# Altium PCB mV_meter.PcbDoc (part 2 of 3) (continued)
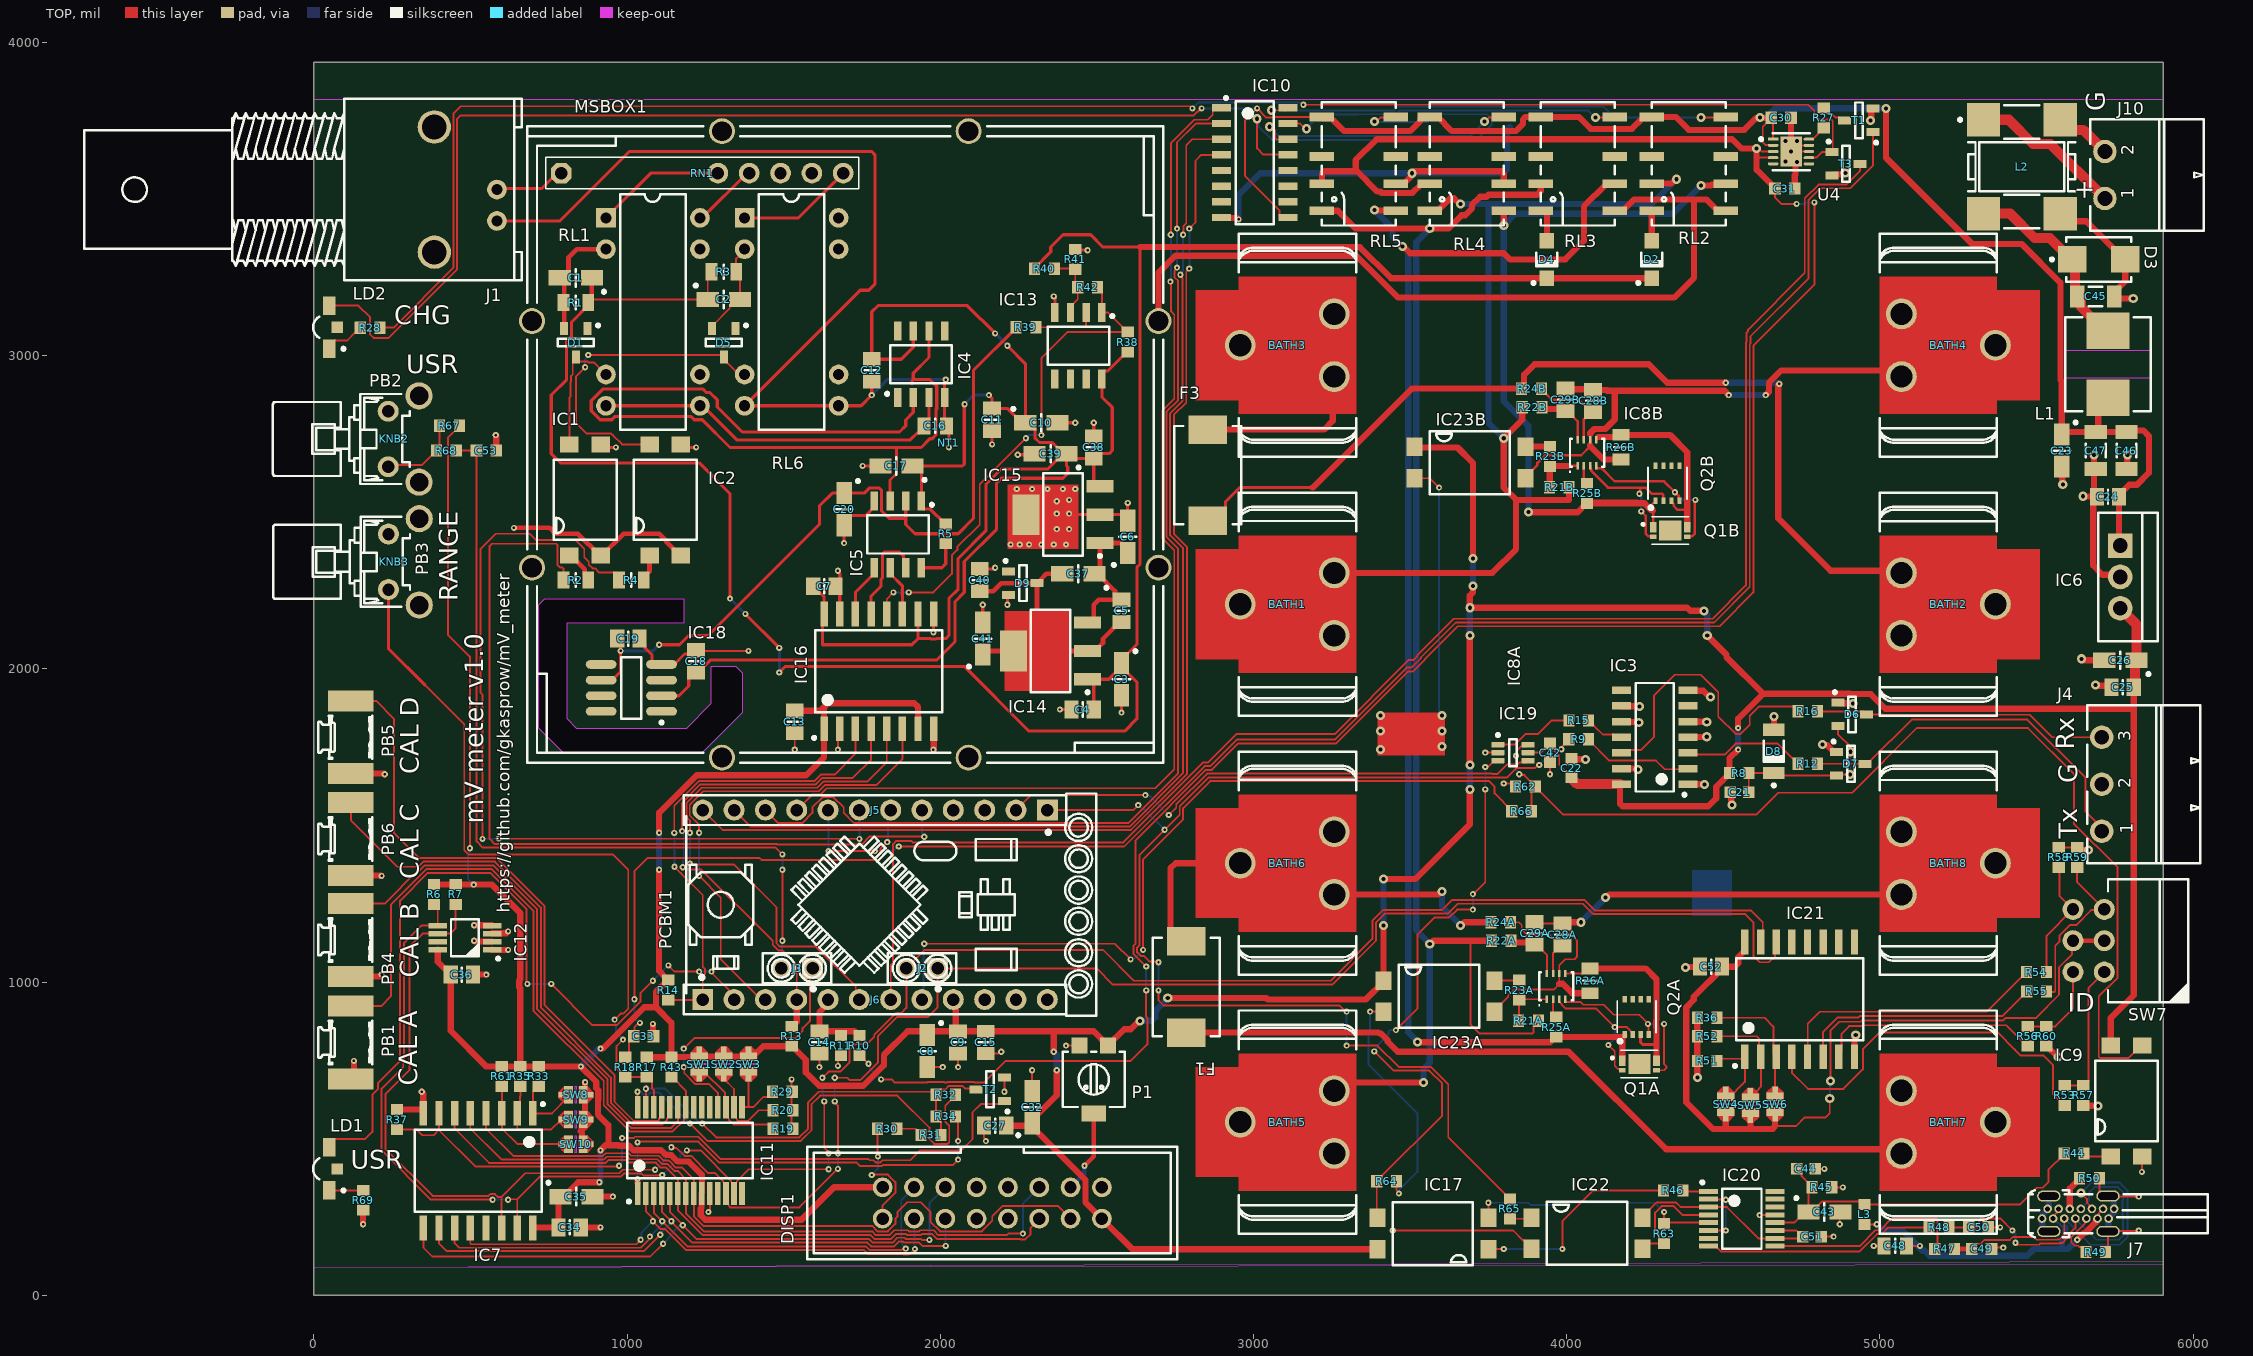
[diagram p0: TOP view]
## Nets (pads, with @x,y where several pads share a name; then routed paths per layer and width w, separated by ;. In a path a pad name is that pad's centre, name@x,y a point inside that pad or via, vN(x,y) a via of type N, cw(c..) or ccw(c..) an arc to the next point about the centre after c; other vN are vias at no path point) (continued)
  TOP w15: v1(639.02,2449.94) 752.52,2449.94 771.37,2431.1 843.31,2431.1 912.2,2362.2 IC1.2@916.14,2362.2 920.08,2362.2 988.98,2431.1 1102.36,2431.1 1126.19,2407.27 1126.19,2404.12 1168.11,2362.2 IC2.2@1172.05,2362.2
  TOP w19.68: PB4.1@117.91,1017.92 210.83,1017.92 v1(216.54,1023.62) ; PB1.1@118.11,690.94 127.95,700.79 v1(127.95,748.03) ; PB6.1@118.11,1340.55 214.57,1340.55 v1(216.54,1338.58) ; PB5.1@118.11,1665.35 224.41,1665.35 v1(226.38,1663.39) ; v1(157.48,226.38) R69.1@157.48,271.65 ; R37.1@265.75,592.52 347.64,592.52 349.61,594.49 349.61,644.49 v1(344.49,649.61) ; C36.1@507.87,1023.62 v1(551.18,1023.62) ; v1(511.81,1131.89) 514.76,1128.94 IC12.2@568.9,1128.94 ; v1(511.81,1181.1) 567.91,1181.1 IC12.4@568.9,1180.12 ; IC12.1@568.9,1103.35 569.88,1102.36 v1(620.08,1102.36) ; IC12.3@568.9,1154.53 569.88,1155.51 614.17,1155.51 v1(620.08,1161.42) ; v1(580.71,2746.06) 582.68,2744.09 C53.1@582.68,2696.85 ; C34.1@852.36,216.54 v1(915.35,216.54) ; v1(866.14,680.2) 866.14,538.62 852.36,524.84 852.36,523.62 856.3,519.68 856.3,496.36 864.17,488.49 877.16,488.49 SW10.1@883.37,482.28 ; C35.2@889.76,314.96 v1(954.72,314.96) ; v1(1082.68,866.14) 1082.68,828.74 C33.1@1084.65,826.77 ; v1(1978.35,1742.13) 1979.13,1742.91 IC16.8@1979.13,1809.05 ; IC10.8@2897.64,3440.94 2899.61,3438.98 2948.82,3438.98 v1(2952.76,3435.04) ; RL5.6@3454.72,3549.21 3480.32,3549.21 v2@3509.44,3578.34 ; v2(3505.61,3582.17) 3508.13,3582.17 3514.54,3588.58 3791.14,3588.58 3799.21,3580.51 RL4.6@3799.21,3549.21 ; T3.2@4846.46,3574.8 4849.41,3577.76 4876.97,3577.76 4880.11,3580.89 4887.72,3580.89 v2(4889.5,3582.68)
  TOP w20: C22.1@4015.75,1712.6 4016.97,1711.38 4059.05,1711.38 v2(4060.27,1710.16) ; IC3.13@4175.2,1681.5 4222.31,1681.5 4225.65,1678.16 v2(4228.08,1678.16) ; IC3.10@4175.2,1831.5 4176.37,1830.33 4229.1,1830.33 v2(4230.27,1829.16) ; IC3.9@4175.2,1881.5 4175.87,1880.83 4231.6,1880.83 v2(4232.27,1880.16) ; v2(4378.94,1046.43) 4380.23,1047.72 4424.28,1047.72 C52.1@4425.57,1049 ; IC3.1@4387.8,1631.5 4387.96,1631.33 4440.51,1631.33 v2(4440.68,1631.16) ; IC3.4@4387.8,1781.5 4388.63,1782.33 4446.44,1782.33 v2(4447.27,1783.16) ; IC3.5@4387.8,1831.5 4388.46,1830.83 4446.6,1830.83 v2(4447.27,1830.16) ; IC3.7@4387.8,1931.5 4389.61,1929.69 4435.99,1929.69 4456.23,1909.45 v2(4458.66,1909.45) ; R52.1@4417,829 4417.32,829.32 R36.1@4417.32,885.83 ; R52.1@4417.32,820.68 R51.1@4417.32,748.03 4417.32,695.68 v2(4418,695) ; C21.1@4522.74,1606.16 4525.55,1603.35 4525.55,1566.8 v2(4527.27,1565.08) ; D8.2@4661.42,1805.12 4662.27,1805.97 v2(4662.27,1847.18) ; C30.1@4716.54,3759.84 4716.54,3689.8 4720.77,3685.56 v2(4735.95,3685.56) ; C31.1@4728.35,3533.46 4728.35,3533.35 C31.1@4733,3538 ; C31.1@4728.35,3538 4728.35,3575.47 4730.31,3577.43 4730.31,3613.35 4730.55,3613.59 U4.11@4730.55,3617.65 ; U4.11@4730.96,3685.56 4730.96,3672 4716.54,3657.58 4716.54,3651.66 v2(4716.45,3651.57) 4730.55,3637.48 U4.11@4730.55,3617.65 ; v2(4735.03,3618.43) 4731.33,3618.43 U4.11@4730.55,3617.65 ; v2(4817.27,1758.16) 4818.99,1756.44 4832.15,1756.44 4854.33,1734.25 D7.1@4862.2,1734.25 ; D6.1@4866.14,1891.73 4867.61,1890.26 4912.8,1890.26 v2(4914.27,1888.79) ; IC21.8@4919.09,761.81 4919.09,824.66 4923,828.56 v2(4923,831) ; v2(4970.47,3750) 4972.19,3751.72 4972.19,3785.61 4975.48,3785.61 T1.2@4978.28,3788.4 ; R60.1@5531.5,795.28 5533.46,795.28 5567.74,761 v2(5569,761) ; L2.3@5575.44,3453 5599.54,3428.9 5658.7,3428.9 D3.2@5773.6,3314 ; C23.2@5580.71,2645.67 5582.35,2644.02 5582.35,2589.51 v2(5584,2587.86) ; R59.1@5629.92,1429.13 5637.64,1421.42 v2(5665.48,1421.42) ; v2(5644,2032) 5646.44,2032 5650.88,2027.56 C26.2@5716.54,2027.56 ; v2(5647.9,2551) 5648.8,2550.11 C24.1@5688,2550.11 ; R57.1@5649.61,606.3 5650.76,605.15 5695.85,605.15 v2(5697,604) ; v2(5684,2682.81) 5684,2567.76 C24.1@5697.38,2554.38 ; C24.1@5688,2545 5681,2538 5681,2330 5710.47,2300.53 5760.5,2300.53 IC6.2@5767.72,2293.31 ; v2(5689,1948) 5690.72,1946.28 5734.29,1946.28 C25.1@5739.57,1941 ; C45.1@5747,3200.74 5783.46,3237.2 D3.2@5783.46,3307.09 ; C45.1@5748.03,3188.98 5755.01,3182 v2(5809,3182) ; C46.1@5787.4,2637.8 5790,2640.39 v2(5790,2683)
  BOT w6: v1(3372.3,905.51) 3372.3,843.36 3366.98,838.05 3366.98,737.35 3523.62,580.71 3523.62,393.7 3464.57,334.65 v1(3464.57,324.8) ; v1(3592.52,2578.74) 3592.52,1866.46 3602.36,1856.62 v2(3602.36,1850.39)
  BOT w19.68: v1(2952.76,3435.04) 2952.76,3513.27 3021.65,3582.17 v2(3505.61,3582.17) 3797.52,3582.17 3809.06,3593.7 3809.06,3720.47 3818.9,3730.32
  other v2: 3405.51,1742.13 3602.36,1751.97 3405.51,1801.18 3602.36,1801.18 3405.51,1850.39 4698.17,3619.55 4698.59,3685.41
GNDi: C3.2 C4.1 C6.2 C7.1 C10.2 C11.1 C17.2 C18.1 C19.1 C20.2 C38.1 C39.2 C40.1 C41.2 D9.2 IC1.3 IC2.3 IC5.4 IC13.4 IC15.2 IC15.4 IC16.9 IC16.15 IC18.4 MSBOX1.1 MSBOX1.2 MSBOX1.3 MSBOX1.4 MSBOX1.5 MSBOX1.6 MSBOX1.7 MSBOX1.8 NT1.2 R41.1 RL2.5 RL3.5 | length 4506.9
  TOP w6: C18.1@1220.47,2059.06 1222.44,2057.09 v1(1387.8,2057.09)
  TOP w10: IC1.3@916.14,2716.54 925.98,2706.69 v1(964.57,2706.69) ; C19.1@1039.37,2096.46 1057.01,2078.82 1057.01,2067.2 1079.8,2044.41 1079.8,2022.09 1087.91,2013.98 IC18.4@1110.24,2013.98 1150.42,2013.98 1183.69,2047.24 C18.1@1226.56,2047.24 ; IC2.3@1172.05,2716.54 1181.89,2706.69 v1(1220.47,2706.69) ; v1(1673.23,2312.99) 1673.23,2310.37 1679.13,2304.47 IC16.15@1679.13,2175.2 ; v1(1692.91,2401.57) C20.2@1692.91,2458.66 1692.91,2469.49 1712.52,2489.09 1762.13,2489.09 1789.76,2516.73 IC5.4@1789.76,2535.43 ; v1(1751.97,2647.64) C17.2@1809.05,2647.64 ; v1(1978.35,2116.14) 1978.74,2116.54 1978.74,2174.8 IC16.9@1979.13,2175.2 ; C40.1@2125.98,2318.9 2168.64,2318.9 2172.58,2322.83 v1(2175.2,2322.83) ; C41.2@2135.83,2147.64 v1(2135.83,2204.72) ; v1(2165.35,2716.54) C11.1@2165.35,2759.84 ; v1(2214.57,2204.72) 2214.57,2232.28 D9.2@2218.5,2236.22 ; v1(2247.58,2683.53) 2297.7,2683.53 C39.2@2301.18,2687.01 ; IC15.4@2273.62,2492.13 IC15.2@2509.84,2492.13 2578.82,2492.13 C6.2@2598.43,2472.52 ; v1(2362.2,3188.98) 2362.2,3186.36 2365.94,3182.62 IC13.4@2365.94,3137.8 ; C10.2@2374.02,2785.43 v1(2431.1,2785.43) ; v1(2381.89,1870.08) C4.1@2419.29,1870.08 ; R41.1@2431.1,3338.58 2433.07,3336.61 v1(2470.47,3336.61) ; C38.1@2490.16,2742.13 v1(2490.16,2785.43) ; v1(2578.74,1860.24) C3.2@2578.74,1915.35 ; C6.2@2598.43,2472.44 C6.2@2598.43,2472.52 ; v1(2598.43,2529.53) C6.2@2598.43,2472.52
  TOP w19.68: MSBOX1.3@2698,3110 2696.85,3111.15 2696.85,3264.85 2750.61,3318.61 3328.39,3318.61 3462,3185 4343,3185 4407,3249 4407,3498.82 ; RL3.5@4153.54,3462.6 4179.13,3462.6 4215.35,3498.82 4407,3498.82 ; RL2.5@4507.87,3462.6 4482.28,3462.6 4446.06,3498.82 4407,3498.82
  other v1: 2224.4,2396.94 2253.92,2396.94 2283.45,2396.94 2322.82,2396.94 2362.19,2396.94 2401.56,2396.94 2372.03,2446.16 2411.4,2446.16 2372.03,2495.37 2411.4,2495.37 2372.03,2534.74 2411.42,2539.37 2244.08,2574.11 2293.29,2574.11 2342.51,2574.11 2391.72,2574.11 2431.09,2574.11 2027.45,2706.69
GNDU: C43.2 C44.1 C48.1 C49.2 C50.2 C51.1 IC9.2 IC17.2 IC20.5 IC20.13 J7.A1 J7.A12 J7.B1 J7.B12 J7.SHIELD R45.1 R49.1 R50.2 R63.1 | length 1768.1
  TOP w6: IC17.2@3750,246.85 v1(3750,295.28) ; v1(4311.02,265.75) R63.1@4311.02,228.35 4314.37,231.69 IC20.5@4452.76,231.69 ; v1(4616.14,255.91) 4616.54,256.3 4664.96,256.3 IC20.13@4665.35,256.69 ; C44.1@4793.31,403.54 v1(4822.83,403.54) ; C51.1@4812.99,187.01 v1(4852.36,187.01) ; R45.1@4846.46,344.49 v1(4881.89,344.49) ; v1(4872.05,226.38) 4872.05,263.78 C43.2@4874.02,265.75 ; v1(4980.32,157.48) C48.1@5013.78,157.48 ; C50.2@5346.46,216.54 v1(5383.86,216.54) ; C49.2@5356.3,147.64 5360.74,152.08 v1(5393.7,152.08) ; R50.2@5700.79,374.02 5700.79,332.37 5716.63,316.54 J7.SHIELD@5728.35,316.54 5729.13,315.75 5825.98,315.75 v1(5826.77,314.96) ; R49.1@5720.47,139.76 R49.1@5720.47,137.8 5728.35,145.67 J7.SHIELD@5728.35,203.94 5729.72,205.32 5825.39,205.32 v1(5826.77,206.69) ; v1(5836.61,393.7) 5836.61,442.13 IC9.2@5837.4,442.91
  BOT w6: v1(3750,295.28) 3877.92,295.28 3884.95,288.24 4009.16,288.24 4016.19,295.28 4281.5,295.28 v1(4311.02,265.75)
  BOT w20: J7.A12@5517.72,244.88 5519.16,243.44 5519.16,211.07 5526.29,203.94 J7.SHIELD@5539.37,203.94 ; J7.A12@5519.16,257.27 5535.43,273.55 J7.B1@5535.43,275.59 5535.43,277.64 5539.37,281.57 J7.SHIELD@5539.37,316.54 ; J7.SHIELD@5728.35,203.94 5729.33,204.92 5729.33,243.9 J7.A1@5730.32,244.88 5730.32,246.93 5746.59,263.2 5746.59,274.14 J7.B12@5748.03,275.59 5746.59,277.04 5746.59,309.41 5739.46,316.54 J7.SHIELD@5728.35,316.54
ID_1: IC21.4 R53.1 | length 1208.6
  TOP w6: IC21.4@4719.09,761.81 4719.09,709.91 4770.5,658.5 4883.5,658.5 4946,721 4946,786 4999,839 5376,839 5431,784 5431,783.76 5449.76,765 5523,765 5553,735 5553,641.88 5588.58,606.3 R53.1@5590.55,606.3
ID_2: IC21.5 R54.1 | length 853.9
  TOP w6: IC21.5@4772,782 4769.87,784.13 4769.87,866.87 4808,905 5341.5,905 5451.82,1015.31 5453.79,1015.31 5468.5,1030.03 R54.1@5468.5,1032
ID_4: IC21.6 R55.1 | length 775
  TOP w6: IC21.6@4818,771 4818,840 4865,887 4932.2,887 4936.2,891 5390.01,891 5452.32,953.31 5454.29,953.31 5469.01,968.03 R55.1@5469.01,970
ID_8: IC21.7 R56.1 | length 696.2
  TOP w6: IC21.7@4871,775 4877.91,781.91 4877.91,834.91 4902,859 4943.8,859 4946.8,862 5403.75,862 5470.47,795.28 R56.1@5472.44,795.28
KEY_CAL_0: IC11.21
KEY_CAL_A: IC11.22 PB1.2 R43.1 | length 2171.4
  TOP w6: PB1.2@118.11,923.23 214.57,923.23 246.06,954.72 246.06,1247.29 359.2,1360.43 568.23,1360.43 700.98,1227.68 700.98,908.78 925.72,684.04 925.72,605.87 1008.61,522.98 1145.96,522.98 1182.13,559.15 1182.13,594.54 IC11.22@1187.99,600.39 1187.99,652.56 1143.7,696.85 R43.1@1141.73,696.85
KEY_CAL_B: IC11.23 PB4.2 | length 1729.1
  TOP w6: PB4.2@117.91,1250.2 226.58,1250.2 332.49,1356.11 337.92,1356.11 353.23,1371.43 574.2,1371.43 712.98,1232.65 712.98,913.75 937.72,689.01 937.72,609.42 1013.16,533.98 1141.4,533.98 1162.4,554.98 IC11.23@1162.4,600.39
KEY_CAL_C: IC11.24 PB6.2 | length 1806.1
  TOP w6: PB6.2@157.48,1572.83 PB6.2@118.11,1572.83 118.11,1515.75 265.75,1368.11 332.95,1368.11 349.26,1384.43 578.17,1384.43 724.98,1237.62 724.98,918.72 948.72,694.98 948.72,613.98 1017.72,544.98 1112.39,544.98 1128.08,560.66 1128.08,564.1 1136.81,572.83 IC11.24@1136.81,600.39
KEY_CAL_D: IC11.25 PB5.2 | length 2034.4
  TOP w6: PB5.2@118.11,1897.64 198.82,1897.64 255.91,1840.55 255.91,1476.38 336.61,1395.67 458.52,1395.67 459.27,1396.43 583.14,1396.43 736.98,1242.59 736.98,926.41 959.72,703.67 959.72,618.54 1022.28,555.98 1097.8,555.98 1102.49,560.66 1102.49,564.1 1111.22,572.83 IC11.25@1111.22,600.39
KEY_RANGE: IC11.26 PB3.2 R17.1 R18.2 | length 2374.7
  TOP w6: 354.33,1948.82 480.13,1823.02 480.13,1420.28 492.98,1407.43 954.78,1407.43 1003.94,1358.27 1003.94,915.35 987.62,899.04 979.39,899.04 v1(960.45,880.1) ; v1(987.11,816.03) 966.41,795.33 966.41,722.57 992.13,696.85 1064.96,696.85 1079.68,682.13 1079.68,660.95 1085.63,655 IC11.26@1085.63,600.39
  TOP w10: PB3.2@238.18,2252.94 238.18,2064.97 354.33,1948.82
  BOT w6: v1(960.45,880.1) 961.57,878.98 961.57,861.26 964.57,858.26 964.57,845.15 974.96,834.76 974.96,830.52 987.11,818.37 v1(987.11,816.03)
LCD4: DISP1.11 IC7.9 IC11.5 | length 2073.9
  TOP w6: IC7.9@349.61,207.24 349.61,152.36 378.33,123.64 1074.07,123.64 v1(1114.98,164.55) ; IC11.5@1136.81,324.8 1136.81,266.37 1176.81,226.38 v1@1181.1,226.38 ; v1(1178.15,223.43) v1@1181.1,226.38 ; v1(1965.61,176.53) 1941.15,176.53 1937.68,179.99 1889.43,179.99 1886.05,183.37 1863.2,183.37 1847.83,167.99 1784.46,167.99 1772.46,179.99 1221.59,179.99 1181.1,220.48 v1@1181.1,226.38
  BOT w6: v1(1114.98,164.55) 1143.12,192.69 1143.12,198.24 1168.64,223.76 1177.83,223.76 v1(1178.15,223.43) ; v1(1965.61,176.53) 1965.61,293.95 DISP1.11@2016.14,344.49
LCD5: DISP1.12 IC7.10 IC11.4 | length 1955.9
  TOP w6: IC7.10@399.61,214.57 399.61,166.2 425.12,140.68 1053.16,140.68 v1(1105.84,193.37) ; IC11.4@1111.22,324.8 1111.22,266.73 v1(1141.73,236.22) 1141.73,234.62 1208.36,167.99 1767.49,167.99 1779.49,155.99 1852.8,155.99 1868.17,171.37 1881.08,171.37 1884.46,167.99 1932.71,167.99 1943.22,157.48 v1(2017.72,157.48)
  BOT w6: v1(1105.84,193.37) 1105.84,196.85 1141.73,232.74 v1(1141.73,236.22) ; DISP1.12@2016.14,244.49 2016.93,243.7 2016.93,158.27 v1(2017.72,157.48)
LCD6: DISP1.13 IC7.11 IC11.3 | length 1896.5
  TOP w6: IC7.11@449.61,214.57 449.61,166.2 464.12,151.68 1043.06,151.68 1070.22,178.84 1070.22,184.39 v1(1072.83,187.01) ; IC11.3@1085.63,324.8 1085.63,262.8 1192.43,155.99 1762.52,155.99 1774.52,143.99 1875.35,143.99 1879.82,148.46 1889.07,148.46 v1(1889.76,149.15)
  BOT w6: v1(1072.83,187.01) 1109.59,223.76 1109.59,233.6 v1(1112.2,236.22) ; v1(1889.76,149.15) 1889.76,151.38 1877.55,163.59 1877.55,171.85 1875.65,173.76 1875.65,303.99 DISP1.13@1916.14,344.49
LCD7: DISP1.14 IC7.12 IC11.2 | length 1755.8
  TOP w6: IC7.12@499.61,214.57 499.61,166.2 503.12,162.68 1028.82,162.68 v1(1043.31,177.17) ; IC11.2@1060.04,324.8 1060.04,268.7 v1@1087.6,241.14 ; v1(1082.68,236.22) 1107.69,211.21 1121.66,211.21 1188.88,143.99 1757.54,143.99 1769.54,131.99 1880.27,131.99 1881.96,130.31 1897.57,130.31 1899.25,131.99 1903.63,131.99 v1(1919.29,147.64)
  BOT w6: v1(1043.31,177.17) 1045.93,179.78 1045.93,199.47 v1(1082.68,236.22) ; DISP1.14@1916.14,244.49 1917.72,242.91 1917.72,149.21 v1(1919.29,147.64)
LCD_E: DISP1.6 IC7.6 IC11.6 | length 2182.6
  TOP w6: IC7.6@449.61,580.71 449.61,532.34 559.35,422.6 931.92,422.6 940.55,431.23 995.84,431.23 1003.78,423.29 1092.11,423.29 1107.8,407.6 1125.02,407.6 1162.4,370.22 1162.4,271.49 1241.9,191.99 1777.43,191.99 1789.43,179.99 1842.86,179.99 1858.23,195.37 1891.02,195.37 1894.4,191.99 1937.89,191.99 1941.26,195.37 1974.05,195.37 1989.43,179.99 2253.99,179.99 2255.97,178.01 2271.58,178.01 2288.41,194.83 2288.41,214.95 2316.14,242.68 DISP1.6@2316.14,244.49
LCD_RS: DISP1.4 IC7.4 IC11.8 | length 2300.4
  TOP w6: IC7.4@549.61,580.71 549.61,532.34 637.35,444.6 922.81,444.6 931.44,453.23 1004.95,453.23 1012.89,445.29 1101.22,445.29 1116.92,429.6 1134.14,429.6 1155.98,407.76 1176.05,407.76 1213.58,370.22 1213.58,251.42 1243.82,221.18 1782.18,221.18 1799.37,203.99 1832.92,203.99 1856.64,227.71 1856.64,244.49 1863.65,251.5 1863.65,266.23 1894.4,296.98 1937.89,296.98 1968.64,266.23 1968.64,234.72 1999.37,203.99 2132.92,203.99 2166.14,237.22 2166.14,251.76 2199.37,284.98 2375.65,284.98 DISP1.4@2416.14,244.49
LCD_RW: DISP1.5 IC7.5 IC11.7 | length 2211.3
  TOP w6: IC7.5@499.61,580.71 499.61,532.34 598.35,433.6 927.37,433.6 936,442.23 1000.4,442.23 1008.33,434.29 1096.67,434.29 1112.36,418.6 1129.58,418.6 1151.42,396.76 1161.46,396.76 1187.99,370.22 1187.99,261.45 1245.45,203.99 1782.4,203.99 1794.4,191.99 1837.89,191.99 1853.26,207.37 1895.99,207.37 1899.37,203.99 1932.92,203.99 1936.29,207.37 1979.02,207.37 1994.4,191.99 2212.1,191.99 2216.96,196.85 v1(2263.78,196.85)
  BOT w6: v1(2263.78,196.85) 2263.78,292.13 DISP1.5@2316.14,344.49
NetBATH4_1: BATH4.1 C28B.1 C29B.1 IC8B.6 IC23B.3 R26B.1 | length 1731.1
  TOP w7.87: IC23B.3@3868.11,2608.27 3868.11,2612.2 3906.41,2650.5 3906.41,2657.47 3930.73,2681.8 4046.53,2681.8 4075.78,2711.04 ; IC8B.6@4074.8,2722.83 IC8B.6@4074.8,2730.71 4074.8,2749.4
  TOP w19.68: C29B.1@3996.06,2894.49 3998.03,2892.52 4082.68,2892.52 C28B.1@4084.65,2890.55
  TOP w20: 4074.55,2714.01 4074.55,2712.27 4075.78,2711.04 4118.71,2668.11 R26B.1@4173.23,2668.11 ; 4075.05,2749.4 4075.05,2752.78 4088.02,2765.75 4123.24,2765.75 4153.54,2796.05 4153.54,2887.39 ; C28B.1@4084.65,2890.55 4129.19,2890.55 ; 4129.19,2887.39 4153.54,2887.39 ; v1(4517.72,2874.02) 4504.35,2887.39 4153.54,2887.39 ; v1(4635.83,2874.02) 4645.67,2883.86 4645.67,2913.39 4685.04,2952.76 5017.97,2952.76 5022.65,2948.08 5053.89,2948.08 BATH4.1@5068.9,2933.07
  BOT w20: v1(4517.72,2874.02) v1(4635.83,2874.02)
NetBATH8_1: BATH8.1 C28A.1 C29A.1 IC8A.6 IC23A.3 R26A.1 | length 1822.1
  TOP w6: IC23A.3@3769.69,904.72 3769.69,908.66 3813.42,952.4 3813.42,958.04 3831.45,976.07 3958.35,976.07 3976.38,994.09 IC8A.6@3976.38,1027.17 3976.38,1053.15 3996.06,1072.83 4025.59,1072.83 4032.95,1080.19 4032.95,1133.32 4011.76,1154.51 4011.76,1167.37 3992.13,1187.01 C28A.1@3986.22,1187.01 3901.57,1187.01 C29A.1@3897.64,1190.94
  TOP w20: 3976.38,994.09 3987.72,994.09 4017.24,964.57 R26A.1@4074.8,964.57 ; C28A.1@3990.16,1190.94 v2(4045.28,1190.94) ; v2(4124.02,1269.68) 4126.45,1269.68 4136.29,1279.53 BATH8.1@5068.9,1279.53
  BOT w20: v2(4045.28,1190.94) v2(4124.02,1269.68)
NetC1_2: C1.2 D1.2 R1.1 RL1.2 | length 380.6
  TOP w15: D1.2@799.21,3086.61 799.21,3234.25 C1.2@785.43,3248.03 796.26,3248.03 813.37,3265.14 813.37,3313.37 839.76,3339.76 RL1.2@932.68,3339.76
NetC2_2: C2.2 D5.2 R3.1 RL6.2 | length 312.3
  TOP w6: D5.2@1271.65,3086.61 1271.65,3094.49 1327.8,3150.64 1327.8,3157.53 1349.41,3179.13 C2.2@1360.24,3179.13 1360.24,3255.91 R3.1@1348.43,3267.72 1348.43,3309.66 1375.59,3336.82 RL6.2@1375.59,3339.76
NetC5_1: C5.1 C37.2 C40.2 C41.1 D9.3 IC14.2 IC14.4 | length 1003.6
  TOP w15: C40.2@2125.98,2248.03 2169.29,2248.03 2194.88,2273.62 D9.3@2309.06,2273.62 ; C41.1@2135.83,2045.28 2147.64,2057.09 IC14.4@2234.25,2057.09 2312.99,2057.09 ; C37.2@2389.76,2303.15 2338.58,2303.15 2322.22,2286.79 2322.22,2278.92 2316.93,2273.62 D9.3@2309.06,2273.62 ; C5.1@2578.74,2149.61 2572.83,2149.61 2519.68,2096.46 2519.68,2082.68 2494.09,2057.09 IC14.2@2470.47,2057.09 2312.99,2057.09 ; D9.3@2309.06,2273.62 2309.06,2061.02 2312.99,2057.09
NetC5_2: C5.2 C6.1 C37.1 IC14.3 IC15.1 | length 500.7
  TOP w15: IC14.3@2470.47,2147.64 2477.97,2147.64 2490.16,2159.82 2490.16,2204.72 2505.91,2220.47 C5.2@2572.83,2220.47 ; C37.1@2492.13,2303.15 C37.1@2492.74,2303.15 ; C5.2@2578.74,2220.47 C5.2@2572.83,2220.47 ; C6.1@2598.43,2370.08 2598.43,2380.91 2577.76,2401.57 IC15.1@2509.84,2401.57 2509.84,2320.26 C37.1@2492.74,2303.15 ; C37.1@2492.74,2303.15 2502.95,2303.15 2557.7,2248.41 2557.7,2235.61 C5.2@2572.83,2220.47
NetC16_2: C16.2 IC4.3 RL1.7 RL1.8 | length 1180.5
  TOP w10: RL1.7@932.68,2839.76 1241.24,2839.76 1350,2731 1904.23,2731 1926.26,2753.03 1933.15,2753.03 1948.82,2768.7 C16.2@1948.82,2775.59 1963.98,2790.75 IC4.3@1963.98,2866.14
NetC21_2: C21.2 D6.2 D7.2 D8.1 R8.1 | length 536.2
  TOP w6: R8.1@4581.27,1665.16 4581.27,1606.69 C21.2@4581.8,1606.16 ; R8.1@4582.68,1667.32 D8.1@4661.42,1667.32 4669.58,1659.16 D7.2@4853.27,1659.16 ; D6.2@4866.14,1816.93 4866.14,1791.71 4906.27,1751.58 v2(4906.27,1735.16) ; D7.2@4874.27,1660.16 4877.27,1663.16 v2(4905.27,1663.16)
  BOT w6: v2(4905.27,1663.16) 4905.77,1663.66 4905.77,1734.66 v2(4906.27,1735.16)
NetC28A_2: C28A.2 IC8A.7 R24A.2 | length 297.3
  TOP w6: R24A.2@3820.87,1190.94 3847.58,1190.94 3856.47,1182.05 3856.47,1168.2 3872.96,1151.72 3944.74,1151.72 3980.32,1116.14 3956.69,1092.52 IC8A.7@3956.69,1027.17
NetC28B_2: C28B.2 IC8B.7 R24B.2 | length 296.3
  TOP w7.87: R24B.2@3919.29,2894.49 3919.29,2892.52 3952.76,2859.06 4039.37,2859.06 C28B.2@4078.74,2819.68 ; IC8B.7@4055.12,2730.71 4055.12,2796.06 C28B.2@4078.74,2819.68 ; C28B.2@4084.65,2819.68 C28B.2@4078.74,2819.68
NetC29A_2: C29A.2 IC8A.8 R22A.2 | length 192.4
  TOP w6: C29A.2@3891.73,1125.98 3897.64,1125.98 3937.01,1086.61 IC8A.8@3937.01,1027.17
  TOP w19.68: R22A.2@3822.83,1131.89 3828.74,1125.98 C29A.2@3891.73,1125.98
NetC29B_2: C29B.2 IC8B.8 R22B.2 | length 192.4
  TOP w7.87: C29B.2@3990.16,2829.53 3996.06,2829.53 4035.43,2790.16 IC8B.8@4035.43,2730.71
  TOP w19.68: R22B.2@3921.26,2835.43 3927.17,2829.53 C29B.2@3990.16,2829.53
NetC43_1: C43.1 C44.2 IC20.12 L3.1 R44.2 R45.2 | length 1210.4
  TOP w6: IC20.12@4665.35,231.69 4726.77,231.69 4760.83,265.75 C43.1@4771.65,265.75 ; C44.2@4734.25,403.54 4749.95,387.84 4749.95,379.97 4783.46,346.46 R45.2@4783.46,344.49 4771.65,332.68 C43.1@4771.65,265.75 ; R44.2@5588.58,452.76 5588.58,450.79 5537.92,400.12 5537.92,360.75 5520.52,343.35 5500.83,343.35 5446.85,289.37 L3.1@4950.79,289.37 4940.8,299.35 4816.09,299.35 4782.48,265.75 C43.1@4771.65,265.75
NetC45_2: C45.2 D3.1 L1.1 L2.2 | length 614.9
  TOP w32: L2.2@5330.56,3453 5416.51,3453 5493.66,3375.85 5542.46,3375.85 5611.22,3307.09 D3.1@5614.17,3307.09 ; D3.1@5623.28,3305.72 5623.28,3195.61 C45.2@5629.92,3188.98 ; C45.2@5642,3188.98 5642,3155.24 5717.52,3079.72 L1.1@5728.35,3079.72
NetC48_2: C48.2 J7.A4 J7.A9 J7.B4 J7.B9 L3.2 | length 1077.4
  TOP w6: L3.2@4950.79,226.38 v1(4990.16,226.38) ; C48.2@5084.65,157.48 v1(5127.95,157.48) ; J7.A9@5553.15,244.88 5553.15,250.72 5566.74,264.31 5566.74,271.47 J7.B4@5570.87,275.59 ; J7.A4@5694.88,244.88 5697.91,247.91 5697.91,260.91 J7.B9@5712.6,275.59
  TOP w20: v1(5629.92,177.17) 5651.34,198.58 5655.26,198.58 5689.23,232.55 5689.23,237.18 5694.88,242.84 J7.A4@5694.88,244.88
  BOT w6: J7.A9@5553.15,244.88 5555.89,244.88 5585.77,215
  BOT w20: v1(4990.16,226.38) 5007.86,208.68 5069.39,208.68 5136.21,141.86 5143.57,141.86 5159.2,126.24 5470.72,126.24 5492.13,147.64 5580.71,147.64 ; 5590.87,215.1 5592.77,215.1 5592.77,187.4 5580.71,175.34 5580.71,147.64 ; v1(5629.92,177.17) 5600.39,147.64 5580.71,147.64
NetD1_3: D1.3 IC1.4 RL1.6 | length 404.1
  TOP w6: IC1.4@816.14,2716.54 816.14,2866.1 819.09,2869.05 819.09,2915.43 821.09,2917.43 821.09,2934.51 826.82,2940.25 826.82,2978.39 D1.3@836.61,2988.19 ; D1.3@836.61,2996.06 D1.3@836.61,2988.19 ; RL1.6@932.68,2939.76 894.05,2978.39 876.99,2978.39 873.95,2981.44 843.36,2981.44 D1.3@836.61,2988.19
NetD2_2: D2.2 RL2.4 | length 95.3
  TOP w19.68: D2.2@4271.65,3367.32 RL2.4@4271.65,3462.6
NetD4_2: D4.2 RL3.4 | length 112.7
  TOP w19.68: RL3.4@3917.32,3462.6 3933.07,3462.6 3937.01,3458.66 D4.2@3937.01,3367.32
NetD5_3: D5.3 IC2.4 RL6.6 | length 1026.8
  TOP w6: v1(866.14,2962.6) 836.61,2933.07 836.61,2785.43 870.92,2751.13 949.4,2751.13 954.46,2746.06 954.72,2746.06 984.25,2716.54 IC2.4@1072.05,2716.54 ; v1(875.98,3001.97) 1303.15,3001.97 D5.3@1309.06,2996.06 1309.06,2988.19 1346.58,2950.67 1364.69,2950.67 RL6.6@1375.59,2939.76
  BOT w6: v1(866.14,2962.6) 866.14,2988.42 875.98,2998.27 v1(875.98,3001.97)
NetDISP1_16: DISP1.16 R30.2 | length 375.6
  TOP w6: v1(1781.5,383.86) 1782.62,384.98 1832.92,384.98 1856.64,361.26 1856.64,327.71 1816.14,287.22 DISP1.16@1816.14,244.49 ; R30.2@1799.21,531.5 1799.21,444.88 v1(1801.18,442.91)
  BOT w6: v1(1781.5,383.86) 1801.18,403.54 v1(1801.18,442.91)
NetIC1_1: IC1.1 R2.2 | length 105.8
  TOP w15: IC1.1@816.14,2362.2 820.08,2362.2 864.78,2317.5 864.78,2294.67 R2.2@875.98,2283.46
NetIC2_1: IC2.1 R4.2 | length 86.6
  TOP w15: R4.2@1053.15,2283.46 1053.15,2292.32 1072.05,2311.22 IC2.1@1072.05,2362.2
NetIC3_2: IC3.2 R9.2 | length 338.8
  TOP w6: R9.2@4069.76,1775.16 4069.76,1773.19 4135.8,1707.16 4285.27,1707.16 4313.27,1679.16 4366.27,1679.16 IC3.2@4367.27,1680.16
NetIC3_3: IC3.3 R12.1 | length 382.3
  TOP w6: IC3.3@4400.27,1731.16 4405.27,1726.16 4504.41,1726.16 4539.37,1761.13 4673.91,1761.13 4721.5,1713.54 4723.47,1713.54 4738.19,1698.82 R12.1@4738.19,1696.85
NetIC3_11: IC3.11 R15.1 | length 114.4
  TOP w6: R15.1@4070.26,1835.16 4070.26,1833.19 4084.98,1818.47 4086.95,1818.47 4115.11,1790.31 4149.12,1790.31 IC3.11@4160.27,1779.16
NetIC3_12: IC3.12 R16.1 | length 927.9
  TOP w6: IC3.12@4173.27,1738.16 4175.42,1740.31 4236.42,1740.31 4279.27,1783.16 4279.27,1915.16 4345.27,1981.16 4428.5,1981.16 4483.94,1925.72 4483.94,1847.46 4539.37,1792.02 4555.11,1792.02 4584.69,1821.6 4584.69,1850.58 4614.27,1880.16 4723.47,1880.16 4738.19,1865.44 R16.1@4738.19,1864.17
NetIC4_2: IC4.2 IC4.6 IC5.3 | length 3015.6
  TOP w10: IC5.3@1839.76,2535.43 1839.76,2602.75 1860.24,2623.22 1860.24,2706.69 ; 1909.45,2909.53 1909.45,2918.7 1913.98,2923.23 ; IC4.2@1913.98,2866.14 1913.98,2818.67 1889.76,2794.46 1889.76,2775.59 1870.08,2755.91 1368.11,2755.91 1287.91,2836.11 1287.91,2858.77 1265.03,2881.65 1253.54,2881.65 1241.49,2893.7 923.87,2893.7 885.83,2855.66 885.83,2823.87 914.42,2795.28 925.2,2795.28 925.32,2795.39 951.06,2795.39 960.78,2805.12 1204.57,2805.12 1214.42,2795.28 1240.16,2795.28 1328.74,2706.69 1860.24,2706.69 ; IC4.6@1963.98,3078.74 1963.98,2994.04 1913.98,2944.04 1913.98,2923.23 ; 1860.24,2706.69 1938.98,2706.69 1966.82,2734.54 1974.2,2734.54 1986.14,2746.48 1986.14,2827.78 1988.66,2830.3 1988.66,2901.99 1967.42,2923.23 1913.98,2923.23
NetIC5_8: IC5.8 R5.1 | length 147.7
  TOP w10: IC5.8@1939.76,2322.83 2005.7,2322.83 2011.56,2328.69 2011.56,2329.46 2017.72,2335.62 R5.1@2017.72,2399.61
NetIC7_1: IC7.1 R33.2 SW8.2 | length 237.3
  TOP w6: R33.2@718.5,667.32 716.54,667.32 699.61,650.39 IC7.1@699.61,580.71 760.48,580.71 812.99,633.22 SW8.2@812.99,639.76
NetIC7_2: IC7.2 R35.2 SW9.2 | length 294.1
  TOP w6: R35.2@659.45,667.32 659.45,635.36 658.42,634.33 658.42,589.52 IC7.2@649.61,580.71 649.61,532.34 653.12,528.82 757.17,528.82 789.37,561.02 SW9.2@789.86,561.02
NetIC7_3: IC7.3 R61.2 SW10.2 | length 368.3
  TOP w6: R61.2@600.39,667.32 600.39,532.34 650.45,482.28 SW10.2@789.86,482.28 SW10.2@812.99,482.28
NetIC8A_1: IC8A.1 R21A.1 R23A.1 | length 157.1
  TOP w6: R21A.1@3846.46,875.98 3848.43,877.95 R23A.1@3848.43,942.91 3850.39,944.88 IC8A.1@3937.01,944.88
NetIC8A_2: IC8A.2 R25A.2 | length 61.2
  TOP w6: IC8A.2@3956.69,944.88 3956.69,897.64 R25A.2@3966.54,887.8